# Altium PCB DRS4-PCB.PcbDoc (part 12 of 15)
Units mil, origin at the board's own origin, x right, y up, seen from the top; angles counter-clockwise.
Board outline 12350 x 7411.06 mil, 12 copper layers (Top Layer, Ground Layer 2, Signal Layer 3, Signal Layer 4, Ground Layer 5, Power Layer 6, Ground Layer 7, Ground Layer 8, Power Layer 9, Power Layer 10, Ground Layer 11, Bottom Layer), stack 61.6 mil thick; 1411 components, 1117 nets, 4255 pads, 2550 vias.
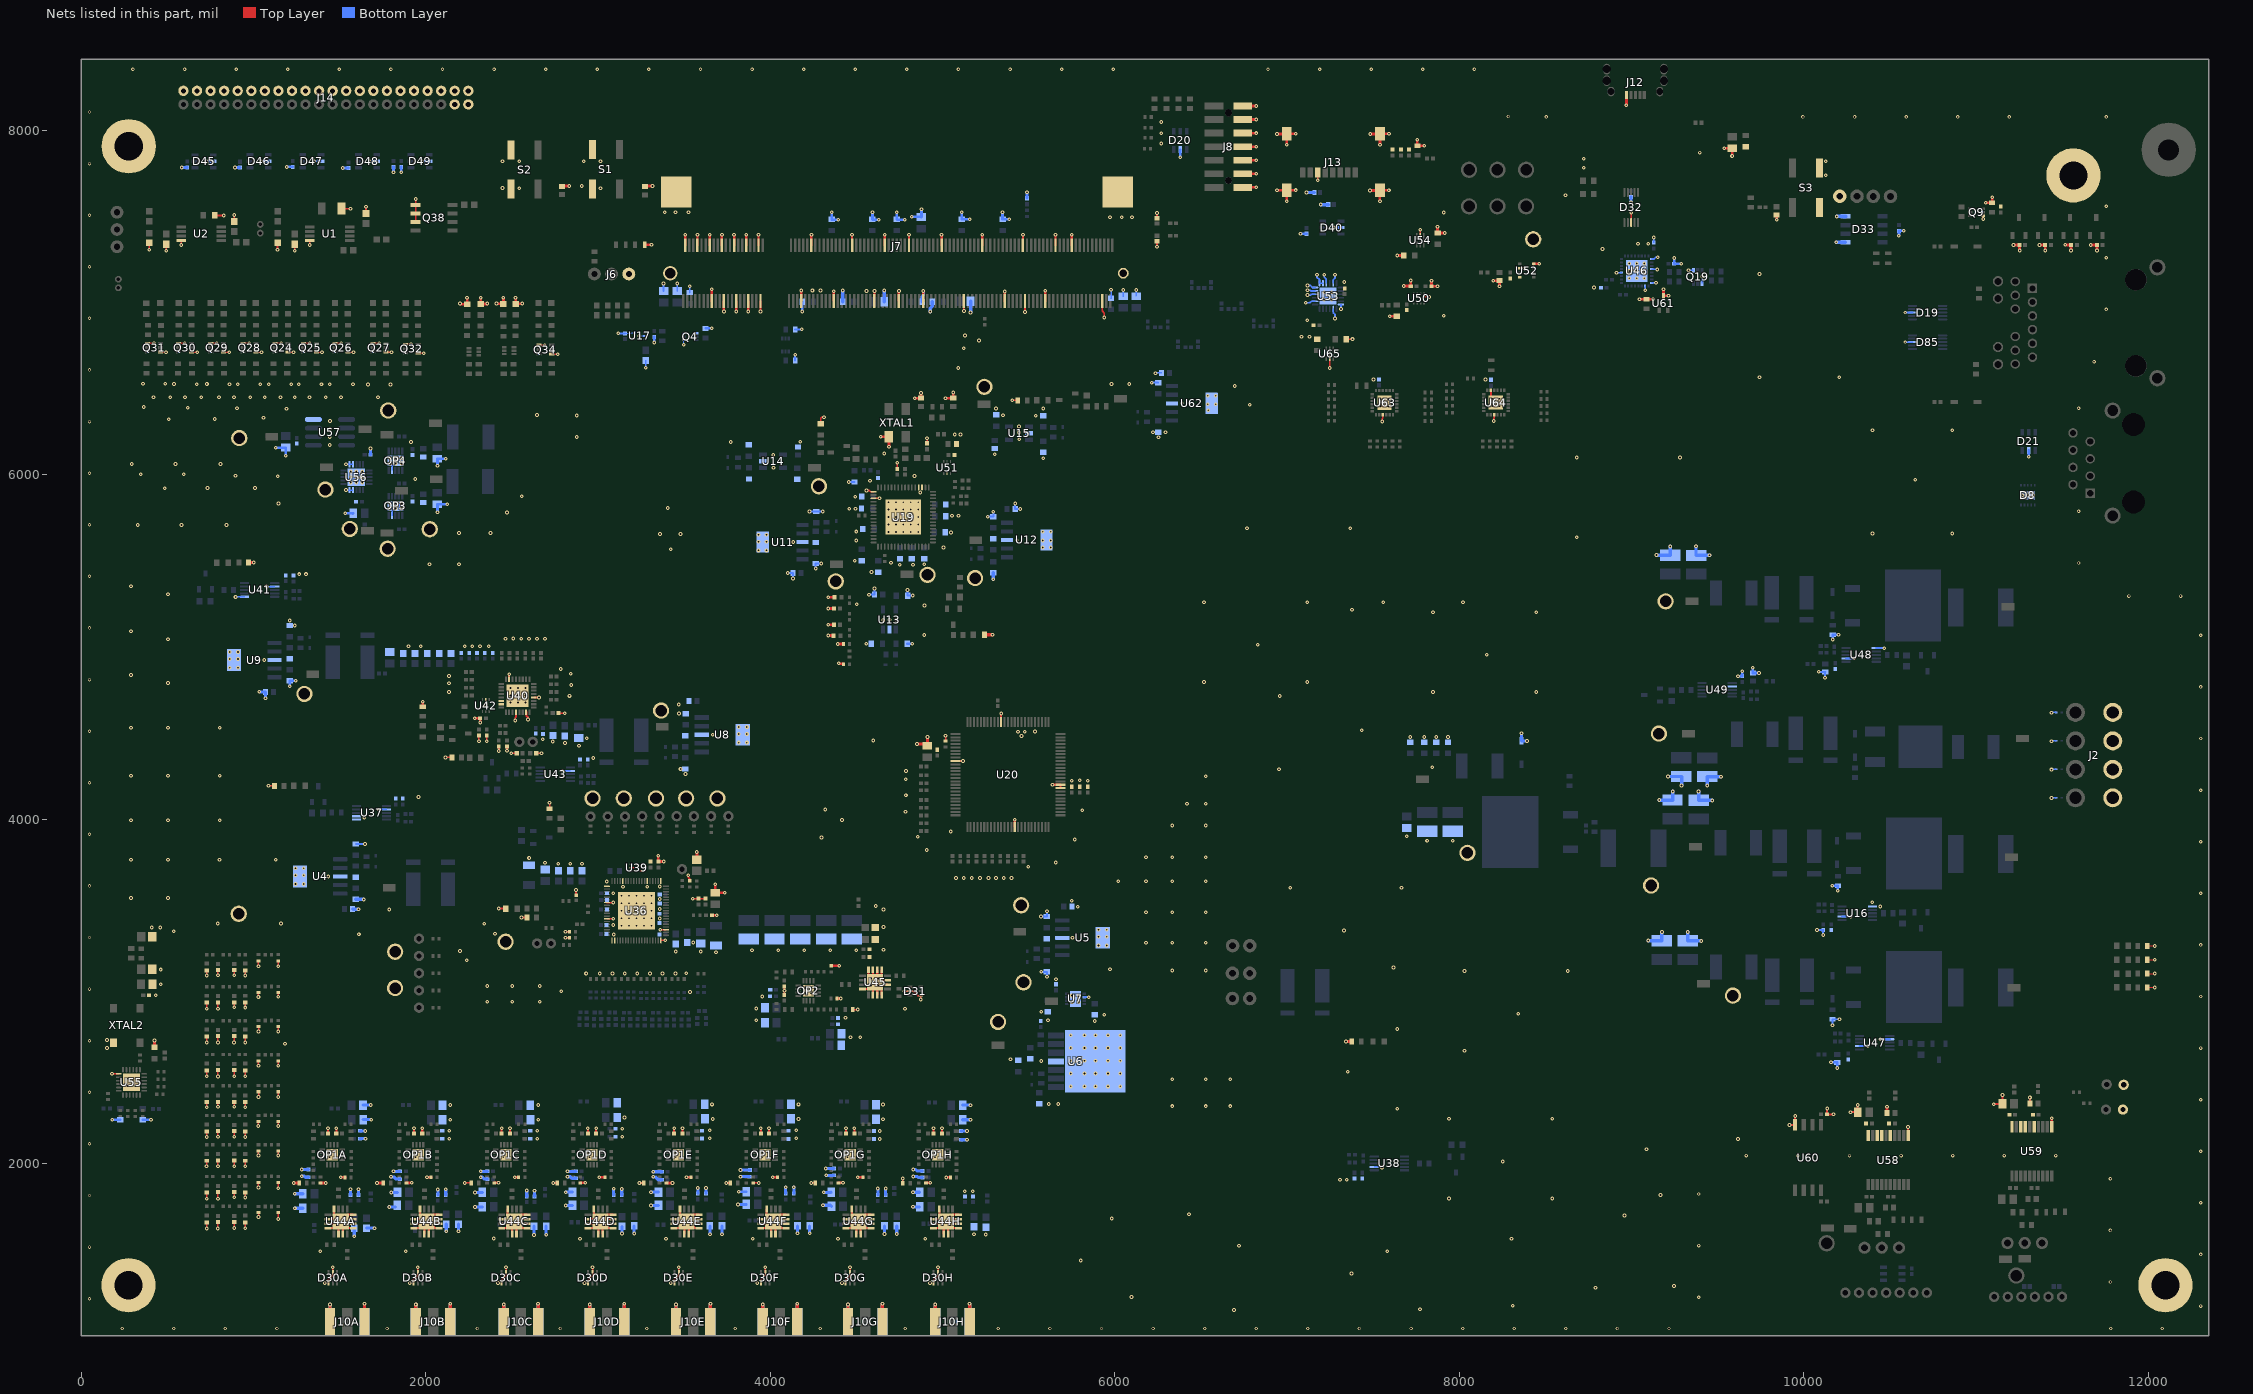
[diagram p22: the nets of this part, all layers, seen from the top]

## Via types
v1: diameter 21.65, hole 10, Top Layer to Bottom Layer, 2413 vias
v2: diameter 20, hole 10, Top Layer to Bottom Layer, 123 vias
v3: diameter 19, hole 8, Top Layer to Bottom Layer, 12 vias
v4: diameter 27.56, hole 10, Top Layer to Bottom Layer, 1 vias
v5: diameter 21.65, hole 10, Top Layer to Bottom Layer, tented top, 1 vias

## Nets (pads, with @x,y where several pads share a name; then routed paths per layer and width w, separated by ;. In a path a pad name is that pad's centre, name@x,y a point inside that pad or via, vN(x,y) a via of type N, cw(c..) or ccw(c..) an arc to the next point about the centre after c; other vN are vias at no path point) (continued)
TRB_GND: C1.2 C2.2 C3.2 C4.2 C5.2 C6.2 C7.2 C8.2 C9.2 C10.1 C11.2 C12.1 C13.1 C14.1 C15.1 C16.2 C17.1 C18.1 C19.1 C20.1 C21.1 C22.1 C23.1 C24.1 C25.1 C26.1 C27.1 C28.2 C29.1 C30.1 C31.1 C32.2 C33.1 C34.1 C35.1 C36.1 C37.1 C38.1 C39.1 C40.2 C41.1 C42.1 C43.2 C44.1 C45.1 C46.1 C47.1 C48.2 C49.1 C50.1 C51.1 C52.2 C53.1 C54.2 C55.1 C56.1 C57.2 C58.2 C61.1 C62.1 C63.1 C64.2 C65.1 C66.2 C67.2 C68.1 C69.1 C70.1 C71.2 C72.2 C73.1 C74.1 C75.1 C76.2 C77.2 C78.1 C79.1 C80.1 C81.2 C82.1 C83.1 C84.1 C85.1 C90.1 C92.2 C93.2 C94.1 C95.1 C96.1 C97.1 C98.1 C99.1 C100.1 C101.1 C102.1 C103.1 C104.1 C105.1 C106.1 C107.1 C108.1 C109.1 C110.2 C111.2 C112.2 C113.1 C114.2 C115.1 C116.1 C117.1 C118.1 C119.2 C120.2 C121.2 C122.2 C123.2 C124.2 C126.2 C127.2 C128.2 C129.2 C130.2 C131.1 C132.2 C134.1 C136.1 C137.1 C138.1 C139.1 C140.1 C141.1 C142.2 C143.1 C144.1 C146.1 C147.1 C148.1 C149.1 C150.2 C151.1 C152.2 C153.2 C154.2 C155.1 C156.1 C157.1 C158.1 C159.1 C160.2 C161.1 C162.1 C163.1 C164.1 C165.1 C166.1 C167.2 C168.2 C169.1 C170.1 C174.1 C175.2 C176.2 C177.1 C178.1 C180.2 C181.1 C182.1 C183.2 C184.1 C185.2 C186.1 C187.2 C188.2 C189.2 C190.1 C191.1 C192.2 C193.2 C194.1 C195.1 C196.1 C197.2 C198.2 C199A.2 C199B.2 C199C.2 C199D.2 C199E.2 C199F.2 C199G.2 C199H.2 C200A.2 C200B.2 C200C.2 C200D.2 C200E.2 C200F.2 C200G.2 C200H.2 C201A.2 C201B.2 C201C.2 C201D.2 C201E.2 C201F.2 C201G.2 C201H.2 C202A.2 C202B.2 C202C.2 C202D.2 C202E.2 C202F.2 C202G.2 C202H.2 C203A.1 C203B.1 C203C.1 C203D.1 C203E.1 C203F.1 C203G.1 C203H.1 C204A.1 C204B.1 C204C.1 C204D.1 C204E.1 C204F.1 C204G.1 C204H.1 C205A.2 C205B.2 C205C.2 C205D.2 C205E.2 C205F.2 C205G.2 C205H.2 C206A.1 C206B.1 C206C.1 C206D.1 C206E.1 C206F.1 C206G.1 C206H.1 C207A.1 C207B.1 C207C.1 C207D.1 C207E.1 C207F.1 C207G.1 C207H.1 C208A.2 C208B.2 C208C.2 C208D.2 C208E.2 C208F.2 C208G.2 C208H.2 C209A.1 C209B.1 C209C.1 C209D.1 C209E.1 C209F.1 C209G.1 C209H.1 C215.1 C217A.1 C217B.1 C217C.1 C217D.1 C217E.1 C217F.1 C217G.1 C217H.1 C218A.2 C218B.2 C218C.2 C218D.2 C218E.2 C218F.2 C218G.2 C218H.2 C219A.1 C219B.1 C219C.1 C219D.1 C219E.1 C219F.1 C219G.1 C219H.1 C220A.2 C220B.2 C220C.2 C220D.2 C220E.2 C220F.2 C220G.2 C220H.2 C222.2 C223.2 C224.2 C225.2 C226.1 C227.1 C228.2 C229.1 C230.1 C231.2 C232.1 C240.1 C241.2 C242.1 C243.2 C245.1 C246.1 C247.1 C248.1 C249.1 C250.1 C251.1 C252.1 C253.2 C254.2 C255.1 C256.1 C260.1 C261.2 C262.1 C263.1 C264.2 C265.2 C266.1 C267.2 C268.2 C269.2 C270.2 C271.1 C272.2 C273.1 C274.2 C275.1 C276.1 C277.1 C282.1 C283.1 C284.1 C285.2 C286.2 C287.2 C288.2 C289.1 C290.2 C291.1 C292.1 C293.1 C294.1 C295.1 C296.1 C297.1 C298.1 C299.1 C300.1 C301.1 C302.1 C303.1 C304.1 C305.1 C306.1 C307.1 C308.1 C309.1 C310.1 C311.1 C312.1 C313.1 C314.1 C315.1 C316.1 C317.1 C318.1 C319.1 C320.1 C321.1 C322.1 C323.1 C324.1 C325.1 C326.1 C327.1 C328.1 C329.1 C330.1 C331.1 C332.1 C333.1 C334.1 C335.2 C336.1 C337.2 C338.1 C339.1 C340.2 C341.2 C342.1 C343.2 C344.2 C345.1 C346.1 C350.1 C351.2 C353.1 C354.2 C357.1 C358.2 C361.1 C362.2 C368.1 C369.1 C370.1 C371.2 C372.1 C373.1 C374.1 D1.2 D2.2 D3.2 D4.2 D8.11 D19.8 D20.2 D21.2 D22.1 D23.1 D30A.1 D30A.5 D30B.1 D30B.5 D30C.1 D30C.5 D30D.1 D30D.5 D30E.1 D30E.5 D30F.1 D30F.5 D30G.1 D30G.5 D30H.1 D30H.5 D31.1 D31.5 D32.8 D33.5 D33.8 D40.2 D41.2 D42.2 D43.2 D44.2 D45.2 D46.2 D47.2 D48.2 D49.2 D72.1 D73.1 D74.1 D75.1 D81.2 D85.8 J2.2 J2.4 J2.6 J2.8 J6.3 J7.2 J7.8 J7.14 J7.15 J7.20 J7.21 J7.26 J7.27 J7.32 J7.33 J7.38 J7.39 J7.47 J7.52 J7.63 J7.72 J7.83 J7.88 J7.95 J7.100 J7.107 J7.116 J7.127 J7.136 J7.147 J7.156 J7.157 J7.167 J7.172 J7.180 J7.195 J7.202 J7.203 J7.204 J7.205 J8.2 J8.4 J8.6 J8.8 J8.10 J8.12 J8.14 J10A.2 J10A.3 J10A.4 J10A.5 J10B.2 J10B.3 J10B.4 J10B.5 J10C.2 J10C.3 J10C.4 J10C.5 J10D.2 J10D.3 J10D.4 J10D.5 J10E.2 J10E.3 J10E.4 J10E.5 J10F.2 J10F.3 J10F.4 J10F.5 J10G.2 J10G.3 J10G.4 J10G.5 J10H.2 J10H.3 J10H.4 J10H.5 J12.5 J13.6 J13.G1 J13.G2 J13.G3 J13.G4 J14.2 J14.4 J14.6 J14.8 J14.10 J14.12 J14.14 J14.16 J14.18 J14.20 J14.22 J14.24 J14.26 J14.28 J14.30 J14.32 J14.34 J14.36 J14.38 J14.40 J14.41 J14.42 J14.43 J14.44 J20.2 OP1A.17 OP1A.V OP1B.17 OP1B.V OP1C.17 OP1C.V OP1D.17 OP1D.V OP1E.17 OP1E.V OP1F.17 OP1F.V OP1G.17 OP1G.V OP1H.17 OP1H.V OP2.17 OP2.V OP3.4 OP3.11 OP4.4 OP4.11 pad.2@273.72,1294.72 pad.2@275.16,7906.65 pad.2@11564.4,7737.66 pad.2@12098.7,1294.72 Q4.1 Q4.4 Q9.1 Q19.1 Q19.4 Q24.1 Q24.4 Q25.1 Q25.4 Q26.1 Q26.4 Q27.1 Q27.4 Q28.1 Q28.4 Q29.1 Q29.4 Q30.1 Q30.4 Q31.1 Q31.4 Q32.1 Q32.4 Q34.1 Q34.4 Q38.3 R2.1 R4.1 R6.1 R26.2 R28.2 R29.1 R34.1 R44.2 R67.1 R78.1 R80.2 R110.2 R112.1 R113.1 R114.1 R123.1 R124.1 R140.1 R154.1 R155.1 R156A.2 R156B.2 R156C.2 R156D.2 R156E.2 R156F.2 R156G.2 R156H.2 R164A.1 R164B.1 R164C.1 R164D.1 R164E.1 R164F.1 R164G.1 R164H.1 R171.2 R178.1 R187.1 R188.1 R211.1 R212.1 R213.1 R216.1 R225.1 R226.1 R227.1 R228.1 R231.1 R232.1 R233.1 R234.1 R237.1 R238.1 R239.1 R240.1 R243.1 R244.1 R245.1 R246.1 R248.1 R249.1 R367.1 R368.1 S1.3 S1.4 S2.3 S2.4 S3.3 S3.4 TP3.1 TP6.1 TP9.1 TP11.1 TP13.1 TP15.1 TP17.1 TP18.1 TP20.1 TP22.1 TP25.1 TP27.1 TP29.1 TP31.1 TP33.1 TP35.1 TP37.1 TP38.1 TP39.1 TP42.1 TP43.1 TP44.1 TP47.1 TP48.1 TP55.1 TP68.1 TP83.1 TP84.1 TP85.1 TP86.1 TP87.1 TP88.1 TP96.1 U1.4 U2.4 U4.3 U4.6 U5.3 U5.6 U6.4 U6.8 U7.6 U7.9 U8.3 U8.6 U9.3 U9.6 U11.3 U11.6 U12.3 U12.6 U13.2 U14.2 U15.2 U16.1 U16.7 U17.2 U17.5 U19.3 U19.4 U19.17 U19.19 U19.65 U20.15 U20.34 U20.65 U20.84 U20.85 U36.1 U36.2 U36.19 U36.22 U36.39 U36.44 U36.53 U36.58 U36.64 U36.70 U36.77 U37.1 U37.2 U37.7 U38.7 U39.2 U39.4 U40.4 U40.15 U40.22 U40.23 U40.28 U40.31 U40.33 U41.1 U41.7 U42.2 U43.7 U44A.4 U44A.6 U44A.7 U44A.8 U44A.10 U44A.11 U44A.13 U44A.14 U44A.15 U44A.16 U44A.17 U44B.4 U44B.6 U44B.7 U44B.8 U44B.10 U44B.11 U44B.13 U44B.14 U44B.15 U44B.16 U44B.17 U44C.4 U44C.6 U44C.7 U44C.8 U44C.10 U44C.11 U44C.13 U44C.14 U44C.15 U44C.16 U44C.17 U44D.4 U44D.6 U44D.7 U44D.8 U44D.10 U44D.11 U44D.13 U44D.14 U44D.15 U44D.16 U44D.17 U44E.4 U44E.6 U44E.7 U44E.8 U44E.10 U44E.11 U44E.13 U44E.14 U44E.15 U44E.16 U44E.17 U44F.4 U44F.6 U44F.7 U44F.8 U44F.10 U44F.11 U44F.13 U44F.14 U44F.15 U44F.16 U44F.17 U44G.4 U44G.6 U44G.7 U44G.8 U44G.10 U44G.11 U44G.13 U44G.14 U44G.15 U44G.16 U44G.17 U44H.4 U44H.6 U44H.7 U44H.8 U44H.10 U44H.11 U44H.13 U44H.14 U44H.15 U44H.16 U44H.17 U45.4 U45.6 U45.7 U45.8 U45.10 U45.11 U45.13 U45.14 U45.15 U45.16 U45.17 U46.4 U46.17 U46.20 U46.24 U46.26 U46.33 U47.2 U47.7 U48.1 U48.7 U49.7 U50.3 U51.2 U52.1 U52.5 U52.7 U53.2 U53.8 U53.10 U53.11 U53.12 U53.13 U53.14 U53.15 U53.17 U53.24 U53.25 U54.2 U55.13 U55.25 U56.4 U56.5 U56.11 U56.12 U56.21 U57.4 U58.1 U58.5 U58.7 U58.8 U58.10 U59.1 U59.5 U59.7 U59.8 U59.10 U60.4 U61.3 U62.3 U62.6 U63.9 U63.25 U64.9 U64.23 U64.25 U65.2 XTAL1.4 XTAL2.2 | length 33223.6
  Top Layer w5: R211.1@11993.15,3023.31 v1(12036.45,3023.31) ; R29.1@11993.16,3103.69 v1(12036.45,3103.69) ; R213.1@11993.15,3184.02 v1(12036.45,3184.04) ; R212.1@11993.15,3264.41 v1(12036.45,3264.4)
  Top Layer w7.87: Q31.4@384.61,6762.67 385.78,6763.85 v1(421.38,6763.85) ; Q31.1@459.41,6711.49 v1(491.69,6711.5) ; Q30.4@564.86,6762.68 v1(600.47,6762.68) ; Q30.1@639.66,6711.5 v1(671.93,6711.5) ; Q29.4@751.02,6762.68 v1(786.64,6762.68) ; Q29.1@825.84,6711.5 v1(858.12,6711.5) ; Q28.1@1013.39,6711.5 v1(1045.66,6711.5) ; v1(1086.69,4193.7) 1090.54,4193.7 1091.23,4193 R112.1@1120.58,4193 ; Q24.4@1124.61,6762.68 v1(1160.22,6762.7) ; Q24.1@1199.43,6711.5 v1(1231.69,6711.5) ; Q25.4@1290.16,6762.68 v1(1325.77,6762.7) ; Q25.1@1364.97,6711.5 v1(1397.24,6711.5) ; D30A.1@1434.06,1307.09 1434.06,1325.69 1459.65,1351.28 D30A.5@1459.65,1370.08 v1(1459.63,1399.21) ; Q26.4@1472.48,6762.68 v1(1508.1,6762.68) ; Q26.1@1547.3,6711.5 v1(1579.57,6711.48) ; Q27.4@1693.03,6762.68 v1(1728.63,6762.68) ; Q27.1@1767.84,6711.5 v1(1800.12,6711.5) ; Q32.4@1880.78,6756.46 v1(1913.06,6756.46) ; D30B.1@1927.87,1307.09 1927.87,1325.69 1953.46,1351.28 D30B.5@1953.46,1370.08 v1(1953.45,1399.21) ; Q32.1@1955.58,6705.28 v1(1987.86,6705.28) ; v1(2114.38,4358.42) 2151.34,4358.42 R155.1@2151.46,4358.31 ; v1(2225.91,1888.5) C209C.1@2262.8,1888.5 ; v1(2308.3,4451.76) C175.2@2308.3,4486.47 ; v1(2353.62,4451.76) C176.2@2353.62,4486.47 ; D30C.1@2439.84,1307.09 2439.84,1325.69 2465.43,1351.28 D30C.5@2465.43,1370.08 v1(2465.42,1399.21) ; U40.4@2627.22,4706.88 U40.4@2627.77,4706.34 ; Q34.4@2658.42,6750.73 v1(2690.7,6750.73) ; v1(2718.24,4096.28) 2718.24,4087.77 2718.44,4087.57 R123.1@2718.44,4060.01 ; Q34.1@2733.24,6699.55 v1(2765.52,6699.55) ; C170.1@2769.26,4615.98 2769.73,4615.52 v1(2805.47,4615.52) ; v1(2810.87,3312.09) R113.1@2834.41,3312.09 ; v1(2810.87,3345.94) R114.1@2833.86,3345.94 ; D30D.1@2941.95,1307.09 2941.95,1325.69 2967.54,1351.28 D30D.5@2967.54,1370.08 v1(2967.53,1399.21) ; U36.70@3050.28,3421.54 v1(3088.31,3421.54) ; U36.64@3050.28,3516.02 v1(3088.31,3516.02) ; U39.2@3190.11,3718.54 3210.01,3718.54 3210.44,3718.12 ; 3240.93,3699.1 3241.18,3698.86 U39.4@3259.01,3698.86 ; v1(3360.08,3358.54) U36.22@3394.77,3358.54 ; U36.19@3364.26,3296.54 v1(3389.07,3296.54) ; D30E.1@3442.68,1307.09 3442.68,1325.69 3468.27,1351.28 D30E.5@3468.27,1370.08 v1(3468.26,1399.21) ; v1(3523.68,3674.68) 3523.68,3662.1 3531.65,3654.12 R110.2@3531.65,3642.66 ; v1(3572.98,3809) v1@3573.83,3808.16 ; J7.15@3659.11,7007.79 3659.2,7007.69 J7.15@3659.19,7008.12 ; J7.21@3730.06,7007.79 J7.21@3730.05,7008.12 ; R156F.2@3900.48,1888.5 v1(3932.13,1888.5) ; D30F.1@3944.93,1307.09 3944.93,1325.69 3970.52,1351.28 v1(3970.51,1399.21) ; C231.2@4081.08,2981.96 C228.2@4081.08,3029.24 ; v1(4237.1,1888.43) 4241.21,1888.43 4241.28,1888.5 C209G.1@4261.73,1888.5 ; D22.1@4292.13,6295.23 4292.13,6327 4297.91,6332.79 v1(4310.73,6332.79) ; v1@4367.13,7066.13 v1@4367.81,7065.44 ; D30G.1@4437.05,1307.09 4437.05,1325.69 4462.64,1351.28 D30G.5@4462.64,1370.08 v1(4462.62,1399.21) ; C232.1@4476.73,2894.77 4476.85,2894.66 v1(4506.64,2894.66) ; v1@4604.01,7065.18 v1@4605.18,7066.35 ; v1(4736.02,6069.22) 4736.53,6068.71 C90.1@4736.53,6033.76 ; v1@4745.73,7065.18 v1@4746.9,7066.35 ; v1(4769.09,1913.98) 4769.25,1913.82 C209H.1@4769.25,1886.38 ; v1(4779.1,3001.81) D31.5@4809.84,3001.81 4830.77,3001.81 4856.36,2976.22 D31.1@4872.84,2976.22 4872.84,2960.57 v1@4874.96,2958.45 ; v1@4887.45,7065.18 v1@4888.62,7066.35 ; C134.1@4909.46,6181.31 4909.58,6181.43 v1(4909.58,6211.45) ; D30H.1@4948.03,1307.09 4948.03,1325.69 4973.62,1351.28 D30H.5@4973.62,1370.08 v1(4973.61,1399.21) ; R80.2@5016.61,4455.2 v1(5016.61,4485.2) ; v1@5122.49,6949.86 5123.65,6951.02 J7.127@5123.65,7008.1 ; v1(5404.58,6431.56) R216.1@5436.5,6431.56 ; v1(5418.58,3997.53) v1@5418.63,4004.05 ; J7.195@5926.72,7008.12 5926.73,6950.44 5938.62,6938.55 v1(5938.62,6912.93) ; v1@7177.56,7709.02 J13.6@7177.56,7753.74 ; U50.3@7795.32,7032.78 7823.67,7032.78 v1(7824.67,7031.79) ; U64.25@8182.09,6448.39 v1(8189.96,6440.51) U64.25@8211.61,6418.86 ; Q28.4@938.58,6762.68 v1(974.2,6762.7) Q28.4@938.58,6762.68
  Top Layer w8.72: v1(726.88,1985.71) 726.88,2015.93 C309.1@728.01,2017.06 ; v1(727.72,2507.01) 727.72,2540.9 C297.1@728.01,2541.2 ; v1(727.84,2898.94) 727.84,2934.72 C313.1@728.01,2934.9 ; v1@727.93,1630.59 C293.1@727.93,1659.29 ; C301.1@728.01,1832.53 728.19,1832.36 v1(728.19,1796.81) ; v1(728.01,2154.9) C317.1@728.01,2183.6 ; v1(728.01,2328.36) C325.1@728.01,2357.06 ; C305.1@728.01,2738.05 728.07,2737.99 v1(728.07,2703.5) ; v1(728.01,3092.38) C321.1@728.01,3121.08 ; v1@792.7,1983.4 v1(792.7,1985.71) 792.7,2019.07 C310.1@792.85,2019.23 ; v1@792.86,1632.75 C294.1@792.86,1661.46 ; v1@792.85,1806 C302.1@792.85,1834.7 ; v1(792.85,2157.06) C318.1@792.85,2185.76 ; v1(792.85,2330.53) C326.1@792.85,2359.23 ; v1(792.87,2506.41) C298.1@792.87,2543.35 ; v1@792.85,2711.51 C306.1@792.85,2740.21 ; v1@792.85,2908.36 C314.1@792.85,2937.06 ; v1(792.85,3094.54) C322.1@792.85,3123.24 ; v1(886.49,2703.9) 886.49,2739.44 C307.1@887.26,2740.21 ; v1@887.26,1632.75 C295.1@887.26,1661.46 ; v1(887.26,1806) C303.1@887.26,1834.7 ; v1@887.26,1990.53 C311.1@887.26,2019.23 ; v1(887.26,2157.06) C319.1@887.26,2185.76 ; v1(887.26,2330.53) C327.1@887.26,2359.23 ; C299.1@887.26,2543.36 887.61,2543.02 v1(887.61,2507.72) v1@887.61,2505.82 ; v1(887.26,2908.36) C315.1@887.26,2937.06 ; v1(887.26,3094.54) C323.1@887.26,3123.24 ; v1@951.75,1630.59 C296.1@951.75,1659.29 ; v1(951.75,1803.83) C304.1@951.75,1832.53 ; v1@951.75,1988.36 C312.1@951.75,2017.06 ; v1(951.75,2154.9) C320.1@951.75,2183.6 ; v1(951.75,2328.36) C328.1@951.75,2357.06 ; C300.1@951.75,2541.2 951.93,2541.02 v1(951.93,2507.72) ; v1@951.75,2709.35 C308.1@951.75,2738.05 ; v1(951.75,2906.2) C316.1@951.75,2934.9 ; v1(951.75,3092.38) C324.1@951.75,3121.08 ; v1(1027.52,2219.41) 1027.52,2244.76 R243.1@1027.97,2245.21 ; v1(1027.58,2967.19) 1027.58,2993.05 R240.1@1027.99,2993.44 ; v1(1027.73,1862.52) 1027.73,1891.03 R231.1@1027.97,1891.27 ; v1(1027.79,2568.11) 1027.79,2596.78 R227.1@1027.97,2596.97 ; v1(1027.88,2048.07) 1027.88,2074.41 R237.1@1027.97,2074.5 ; v1(1027.88,3146.06) 1027.88,3177.83 1028.05,3178.01 R245.1@1027.97,3178.09 ; R225.1@1027.97,1715.9 1028.53,1715.34 v1(1028.53,1690.27) ; R248.1@1027.97,2417.65 1028.72,2416.91 v1(1028.72,2387.8) ; R234.1@1027.97,2795.45 1028.55,2794.87 v1(1028.55,2767.48) ; R226.1@1142.58,1715.9 1142.75,1715.73 v1(1142.75,1679.02) ; R232.1@1142.58,1891.27 1143.34,1890.51 v1(1143.34,1857.29) ; v1@1142.58,2053.75 R238.1@1142.58,2074.5 ; v1@1142.58,2224.46 R244.1@1142.58,2245.21 ; v1@1142.58,2396.9 R249.1@1142.58,2417.65 ; R228.1@1142.58,2596.97 1142.71,2596.84 v1(1142.71,2568.11) v1@1142.71,2565.92 ; v1@1142.58,2774.7 R233.1@1142.58,2795.45 ; R239.1@1142.58,2993.44 1143.12,2992.9 v1(1143.12,2969.63) ; v1(1142.58,3146.06) R246.1@1142.58,3178.09
  Top Layer w9.8: v1(2518.42,4573.21) 2518.42,4589.84 2523.67,4595.09 2523.67,4621.43 U40.28@2522.87,4622.23
  Top Layer w9.84: v1(177.95,2521.54) U55.13@217.08,2521.54 ; v1(3549.78,3538.04) 3579.89,3538.04 3582.05,3540.21 C143.1@3583.21,3539.06 C144.1@3622.8,3539.06 ; v1(4558.47,5908.68) 4574.22,5908.68 4581.04,5901.86 U19.17@4599.71,5901.86 ; U19.19@4599.71,5862.49 v1(4633.49,5862.48) ; C374.1@7344,6787.12 v1(7379.53,6787.12) ; v1@7554.44,6313.98 7556.55,6311.87 7553.46,6308.78 v1(7551.33,6308.78) 7551.33,6325.82 7555.31,6329.8 U63.9@7555.31,6346.93 ; v1(8198.77,6311.9) 8198.77,6327.5 8201.77,6330.49 U64.9@8201.77,6347.99 ; D32.8@8997.43,7463.84 8997.76,7464.17 8997.76,7520.51 v1(8998.09,7520.84)
  Top Layer w10: v1(393.35,7306.36) R368.1@393.35,7345.71 ; v1(492.8,7300) C132.2@492.8,7337.76 ; v1(580.32,7332.85) U2.4@580.32,7360.63 ; C131.1@773.67,7505.22 v1@825.83,7505.22 ; C130.2@887.17,7470.85 v1(887.17,7508.01) ; v1(1138.93,7306.37) R367.1@1138.93,7345.71 ; v1(1238.36,7300.02) C129.2@1238.36,7337.78 ; v1(1325.88,7332.87) U1.4@1325.88,7360.63 ; C128.2@1509.81,7544.69 v1(1561.96,7544.69) ; C127.2@1652.74,7516.42 v1(1652.74,7555.82) ; Q38.3@1940.45,7466.58 Q38.3@1940.45,7516.58 Q38.3@1940.43,7566.58 v1(1940.43,7600.35) ; v1(2422.82,3481.25) C139.1@2464.45,3481.25 ; v1(2494.87,4382.6) C123.2@2526.29,4382.6 ; v1(2555.55,3428.97) C140.1@2586.51,3428.97 ; C124.2@2641.15,4382.6 v1(2671.71,4382.6) ; v1(2738.98,1888.5) C209D.1@2762.95,1888.5 ; v1(2871.06,3588.89) 2871.67,3588.89 C126.2@2871.67,3559.76 ; v1(3239.45,1888.5) C209E.1@3263.43,1888.5 ; v1(3742.95,1888.5) C209F.1@3766.93,1888.5 ; v1(7246.93,6618.97) 7247.33,6619.37 U65.2@7247.33,6677.64 ; U54.2@7772.8,7384.96 v1(7772.8,7422.66)
  Top Layer w11.81: U44A.8@1432.27,1627.09 1466.81,1627.09 U44A.17@1492.4,1652.68 ; U44A.7@1432.27,1652.68 U44A.17@1492.4,1652.68 ; U44A.6@1432.27,1678.27 U44A.17@1492.4,1678.27 ; C205A.2@1432.28,2175.47 v1(1432.28,2205.74) ; U44A.4@1466.81,1738.4 1466.81,1703.86 U44A.17@1492.4,1678.27 ; C208A.2@1479.8,2175.47 v1(1479.8,2205.74) ; U44A.10@1492.4,1592.54 U44A.17@1492.4,1652.68 ; U44A.11@1517.99,1592.54 1517.99,1652.68 U44A.17@1505.2,1665.47 ; U44A.13@1578.13,1627.09 1551.14,1627.09 1525.55,1652.68 U44A.17@1534.44,1652.68 ; U44A.14@1578.13,1652.68 U44A.17@1534.44,1652.68 ; U44A.15@1578.13,1678.27 U44A.17@1517.99,1678.27 ; U44A.16@1578.13,1703.86 1543.58,1703.86 U44A.17@1517.99,1678.27 ; C205B.2@1930.63,2175.47 v1(1930.63,2205.74) ; U44B.8@1931.01,1627.09 1965.55,1627.09 U44B.17@1991.14,1652.68 ; U44B.7@1931.01,1652.68 U44B.17@1991.14,1652.68 ; U44B.6@1931.01,1678.27 U44B.17@1991.14,1678.27 ; U44B.4@1965.55,1738.4 U44B.4@1965.55,1737.61 1965.55,1703.86 U44B.17@1991.14,1678.27 ; C208B.2@1978.82,2175.47 v1(1978.82,2205.74) ; U44B.10@1991.14,1592.54 U44B.17@1991.14,1652.68 ; U44B.11@2016.73,1592.54 2016.73,1652.68 U44B.17@2003.94,1665.47 ; U44B.13@2076.87,1627.09 2049.88,1627.09 2024.29,1652.68 U44B.17@2033.18,1652.68 ; U44B.14@2076.87,1652.68 U44B.17@2033.18,1652.68 ; U44B.15@2076.87,1678.27 U44B.17@2016.73,1678.27 ; U44B.16@2076.87,1703.86 2042.32,1703.86 U44B.17@2016.73,1678.27 ; v1(2423.38,4396.49) C174.1@2423.37,4422.72 ; C205C.2@2440.08,2175.47 v1(2440.08,2205.74) ; U44C.8@2440.46,1627.09 2475,1627.09 U44C.17@2500.59,1652.68 ; U44C.7@2440.46,1652.68 U44C.17@2500.59,1652.68 ; U44C.6@2440.46,1678.27 U44C.17@2500.59,1678.27 ; v1@2470.76,4402.02 C169.1@2470.76,4422.72 ; U44C.4@2475,1738.4 2475,1703.86 U44C.17@2500.59,1678.27 ; U40.15@2483.5,4811.23 v1@2483.5,4839.36 ; C208C.2@2488.27,2175.47 v1(2488.27,2205.74) ; U44C.10@2500.59,1592.54 U44C.17@2500.59,1652.68 ; U44C.11@2526.18,1592.54 2526.18,1652.68 U44C.17@2513.39,1665.47 ; U40.31@2581.93,4622.23 2583.02,4621.14 2583.02,4601.01 2592.23,4591.8 v1(2592.23,4578.19) ; U44C.13@2586.32,1627.09 2559.33,1627.09 2533.73,1652.68 U44C.17@2542.63,1652.68 ; U44C.14@2586.32,1652.68 U44C.17@2542.63,1652.68 ; U44C.15@2586.32,1678.27 U44C.17@2526.18,1678.27 ; U44C.16@2586.32,1703.86 2551.77,1703.86 U44C.17@2526.18,1678.27 ; U40.4@2627.77,4706.34 v1(2656.69,4706.34) ; C208D.2@2940.24,2175.47 v1(2940.24,2205.74) ; U44D.8@2940.61,1627.09 2975.16,1627.09 U44D.17@3000.75,1652.68 ; U44D.7@2940.61,1652.68 U44D.17@3000.75,1652.68 ; U44D.6@2940.61,1678.27 U44D.17@3000.75,1678.27 ; U44D.4@2975.16,1738.4 U44D.4@2975.16,1737.61 2975.16,1703.86 U44D.17@3000.75,1678.27 ; C205D.2@2988.43,2175.47 v1(2988.43,2205.74) ; U44D.10@3000.75,1592.54 U44D.17@3000.75,1652.68 ; U44D.11@3026.34,1592.54 3026.34,1652.68 U44D.17@3013.54,1665.47 ; U44D.13@3086.47,1627.09 3059.48,1627.09 3033.89,1652.68 U44D.17@3042.79,1652.68 ; U44D.14@3086.47,1652.68 U44D.17@3042.79,1652.68 ; U44D.15@3086.47,1678.27 U44D.17@3026.34,1678.27 ; U44D.16@3086.47,1703.86 3051.93,1703.86 U44D.17@3026.34,1678.27 ; U44E.8@3440.46,1627.09 3475,1627.09 U44E.17@3500.59,1652.68 ; U44E.7@3440.46,1652.68 U44E.17@3500.59,1652.68 ; U44E.6@3440.46,1678.27 U44E.17@3500.59,1678.27 ; C205E.2@3441.14,2175.47 v1(3441.14,2205.74) ; U44E.4@3475,1738.4 3475,1703.86 U44E.17@3500.59,1678.27 ; C208E.2@3489.34,2175.47 v1(3489.34,2205.74) ; U44E.10@3500.59,1592.54 U44E.17@3500.59,1652.68 ; U44E.11@3526.18,1592.54 3526.18,1652.68 U44E.17@3513.39,1665.47 ; U44E.13@3586.31,1627.09 3559.33,1627.09 3533.73,1652.68 U44E.17@3542.63,1652.68 ; U44E.14@3586.31,1652.68 U44E.17@3542.63,1652.68 ; U44E.15@3586.31,1678.27 U44E.17@3526.18,1678.27 ; U44E.16@3586.31,1703.86 3551.77,1703.86 U44E.17@3526.18,1678.27 ; U44F.8@3944.16,1627.09 3978.7,1627.09 U44F.17@4004.29,1652.68 ; U44F.7@3944.16,1652.68 U44F.17@4004.29,1652.68 ; U44F.6@3944.16,1678.27 U44F.17@4004.29,1678.27 ; C208F.2@3944.21,2175.47 v1(3944.21,2205.74) ; U44F.4@3978.7,1738.4 3978.7,1703.86 U44F.17@4004.29,1678.27 ; C205F.2@3992.41,2175.47 v1(3992.41,2205.74) ; U44F.10@4004.29,1592.54 U44F.17@4004.29,1652.68 ; U44F.11@4029.88,1592.54 4029.88,1652.68 U44F.17@4017.09,1665.47 ; U44F.13@4090.02,1627.09 4063.03,1627.09 4037.44,1652.68 U44F.17@4046.33,1652.68 ; U44F.14@4090.02,1652.68 U44F.17@4046.33,1652.68 ; U44F.15@4090.02,1678.27 U44F.17@4029.88,1678.27 ; U44F.16@4090.02,1703.86 4055.47,1703.86 U44F.17@4029.88,1678.27 ; U44G.8@4438.68,1627.09 4473.23,1627.09 U44G.17@4498.82,1652.68 ; U44G.7@4438.68,1652.68 U44G.17@4498.82,1652.68 ; U44G.6@4438.68,1678.27 U44G.17@4498.82,1678.27 ; C208G.2@4439.02,2175.47 v1(4439.02,2205.74) ; U44G.4@4473.23,1738.4 U44G.4@4473.23,1737.61 4473.23,1703.86 U44G.17@4498.82,1678.27 ; C205G.2@4487.21,2175.47 v1(4487.21,2205.74) ; U44G.10@4498.82,1592.54 U44G.17@4498.82,1652.68 ; U44G.11@4524.41,1592.54 4524.41,1652.68 U44G.17@4511.61,1665.47 ; U45.4@4534.65,3014.36 4569.19,3014.36 U45.17@4594.78,3039.95 ; U45.16@4569.19,3125.67 4569.19,3091.13 U45.17@4594.78,3065.54 ; U44G.13@4584.54,1627.09 4557.55,1627.09 4531.96,1652.68 U44G.17@4540.86,1652.68 ; U44G.14@4584.54,1652.68 U44G.17@4540.86,1652.68 ; U44G.15@4584.54,1678.27 U44G.17@4524.41,1678.27 ; U44G.16@4584.54,1703.86 4550,1703.86 U44G.17@4524.41,1678.27 ; U45.6@4594.78,2979.82 U45.17@4594.78,3039.95 ; U45.15@4594.78,3125.67 U45.17@4594.78,3065.54 ; U45.7@4620.37,2979.82 U45.17@4620.37,3039.95 ; U45.14@4620.37,3125.67 U45.17@4620.37,3081.99 ; U45.8@4645.96,2979.82 4645.96,3014.36 U45.17@4620.37,3039.95 ; U45.13@4645.96,3125.67 4645.96,3098.69 4620.37,3073.09 U45.17@4620.37,3081.99 ; U45.10@4680.5,3039.95 U45.17@4620.37,3039.95 ; U45.11@4680.5,3065.54 4620.37,3065.54 U45.17@4607.57,3052.75 ; U44H.8@4946.2,1627.09 4980.75,1627.09 U44H.17@5006.34,1652.68 ; U44H.7@4946.2,1652.68 U44H.17@5006.34,1652.68 ; U44H.6@4946.2,1678.27 U44H.17@5006.34,1678.27 ; C208H.2@4947.4,2175.47 v1(4947.4,2205.74) ; U44H.4@4980.75,1738.4 4980.75,1703.86 U44H.17@5006.34,1678.27 ; C205H.2@4996.47,2175.47 v1(4996.47,2205.74) ; U44H.10@5006.34,1592.54 U44H.17@5006.34,1652.68 ; U44H.11@5031.93,1592.54 5031.93,1652.68 U44H.17@5019.13,1665.47 ; U20.34@5074.09,4337.87 v1(5118.72,4337.87) ; U44H.13@5092.06,1627.09 5065.07,1627.09 5039.48,1652.68 U44H.17@5048.38,1652.68 ; U44H.14@5092.06,1652.68 U44H.17@5048.38,1652.68 ; U44H.15@5092.06,1678.27 U44H.17@5031.93,1678.27 ; U44H.16@5092.06,1703.86 5057.52,1703.86 U44H.17@5031.93,1678.27 ; U20.15@5339.84,4564.25 v1(5339.84,4613.81) ; J7.147@5359.59,7008.37 J7.147@5359.84,7008.12 ; U20.65@5418.58,3954.01 v1(5418.58,3997.53) v1(5418.58,3997.53) ; v1@5477.95,6945.01 J7.157@5477.95,7008.1 ; v1(5637.6,4200.08) U20.85@5684.33,4200.08 U20.84@5684.33,4180.39 ; v1(6244.01,7323.1) D43.2@6244.01,7355.22 ; D44.2@6244.01,7489.76 v1(6244.01,7519.12) ; U64.25@8182.09,6448.39 U64.23@8182.09,6489.72 ; v1(9916.02,2224.92) U60.4@9949.13,2224.92 v1(9949.13,2277.24) ; v1(10134.71,2320.47) 10134.71,2288.35 C346.1@10133.6,2287.24 10134.99,2285.86 10135.91,2286.78 v1(10171.51,2286.78) ; v1(10270.87,2298.94) C351.2@10312.32,2298.94 v1(10312.32,2340.8) ; C358.2@10482.28,2295.81 C358.2@10482.63,2295.47 ; U58.1@10604.65,2164.09 v1(10604.65,2213.73) ; v1(11040.63,7484.32) Q9.1@11040.63,7504.33 ; v1(11101.93,2345.83) 11152.23,2345.83 C354.2@11153.17,2346.77 v1@11153.17,2388.65 ; v1@11311.88,2384.94 11311.88,2350.56 C362.2@11312.32,2350.12 ; U44A.17@1492.4,1652.68 U44A.17@1505.2,1665.47 ; U44A.17@1492.4,1678.27 U44A.17@1505.2,1665.47 ; U44A.17@1517.99,1678.27 1513.42,1673.7 U44A.17@1534.44,1652.68 ; U44B.17@1991.14,1652.68 U44B.17@2003.94,1665.47 ; U44B.17@1991.14,1678.27 U44B.17@2003.94,1665.47 ; U44B.17@2016.73,1678.27 2012.16,1673.7 U44B.17@2033.18,1652.68 ; U44C.17@2500.59,1652.68 U44C.17@2513.39,1665.47 ; U44C.17@2500.59,1678.27 U44C.17@2513.39,1665.47 ; U44C.17@2526.18,1678.27 2521.61,1673.7 U44C.17@2542.63,1652.68 ; U44D.17@3000.75,1652.68 U44D.17@3013.54,1665.47 ; U44D.17@3000.75,1678.27 U44D.17@3013.54,1665.47 ; U44D.17@3026.34,1678.27 3021.77,1673.7 U44D.17@3042.79,1652.68 ; U44E.17@3500.59,1652.68 U44E.17@3513.39,1665.47 ; U44E.17@3500.59,1678.27 U44E.17@3513.39,1665.47 ; U44E.17@3526.18,1678.27 3521.61,1673.7 U44E.17@3542.63,1652.68 ; U44F.17@4004.29,1652.68 U44F.17@4017.09,1665.47 ; U44F.17@4004.29,1678.27 U44F.17@4017.09,1665.47 ; U44F.17@4029.88,1678.27 4025.31,1673.7 U44F.17@4046.33,1652.68 ; U44G.17@4498.82,1652.68 U44G.17@4511.61,1665.47 ; U44G.17@4498.82,1678.27 U44G.17@4511.61,1665.47 ; U44G.17@4524.41,1678.27 4519.84,1673.7 U44G.17@4540.86,1652.68 ; U45.17@4594.78,3039.95 U45.17@4607.57,3052.75 ; U45.17@4594.78,3065.54 4599.35,3060.97 U45.17@4620.37,3081.99 ; U45.17@4607.57,3052.75 U45.17@4620.37,3039.95 ; U44H.17@5006.34,1652.68 U44H.17@5019.13,1665.47 ; U44H.17@5006.34,1678.27 U44H.17@5019.13,1665.47 ; U44H.17@5031.93,1678.27 5027.36,1673.7 U44H.17@5048.38,1652.68